# KiCad board STM32MP25XXAK with 2 DDR4.kicad_pcb (continued)
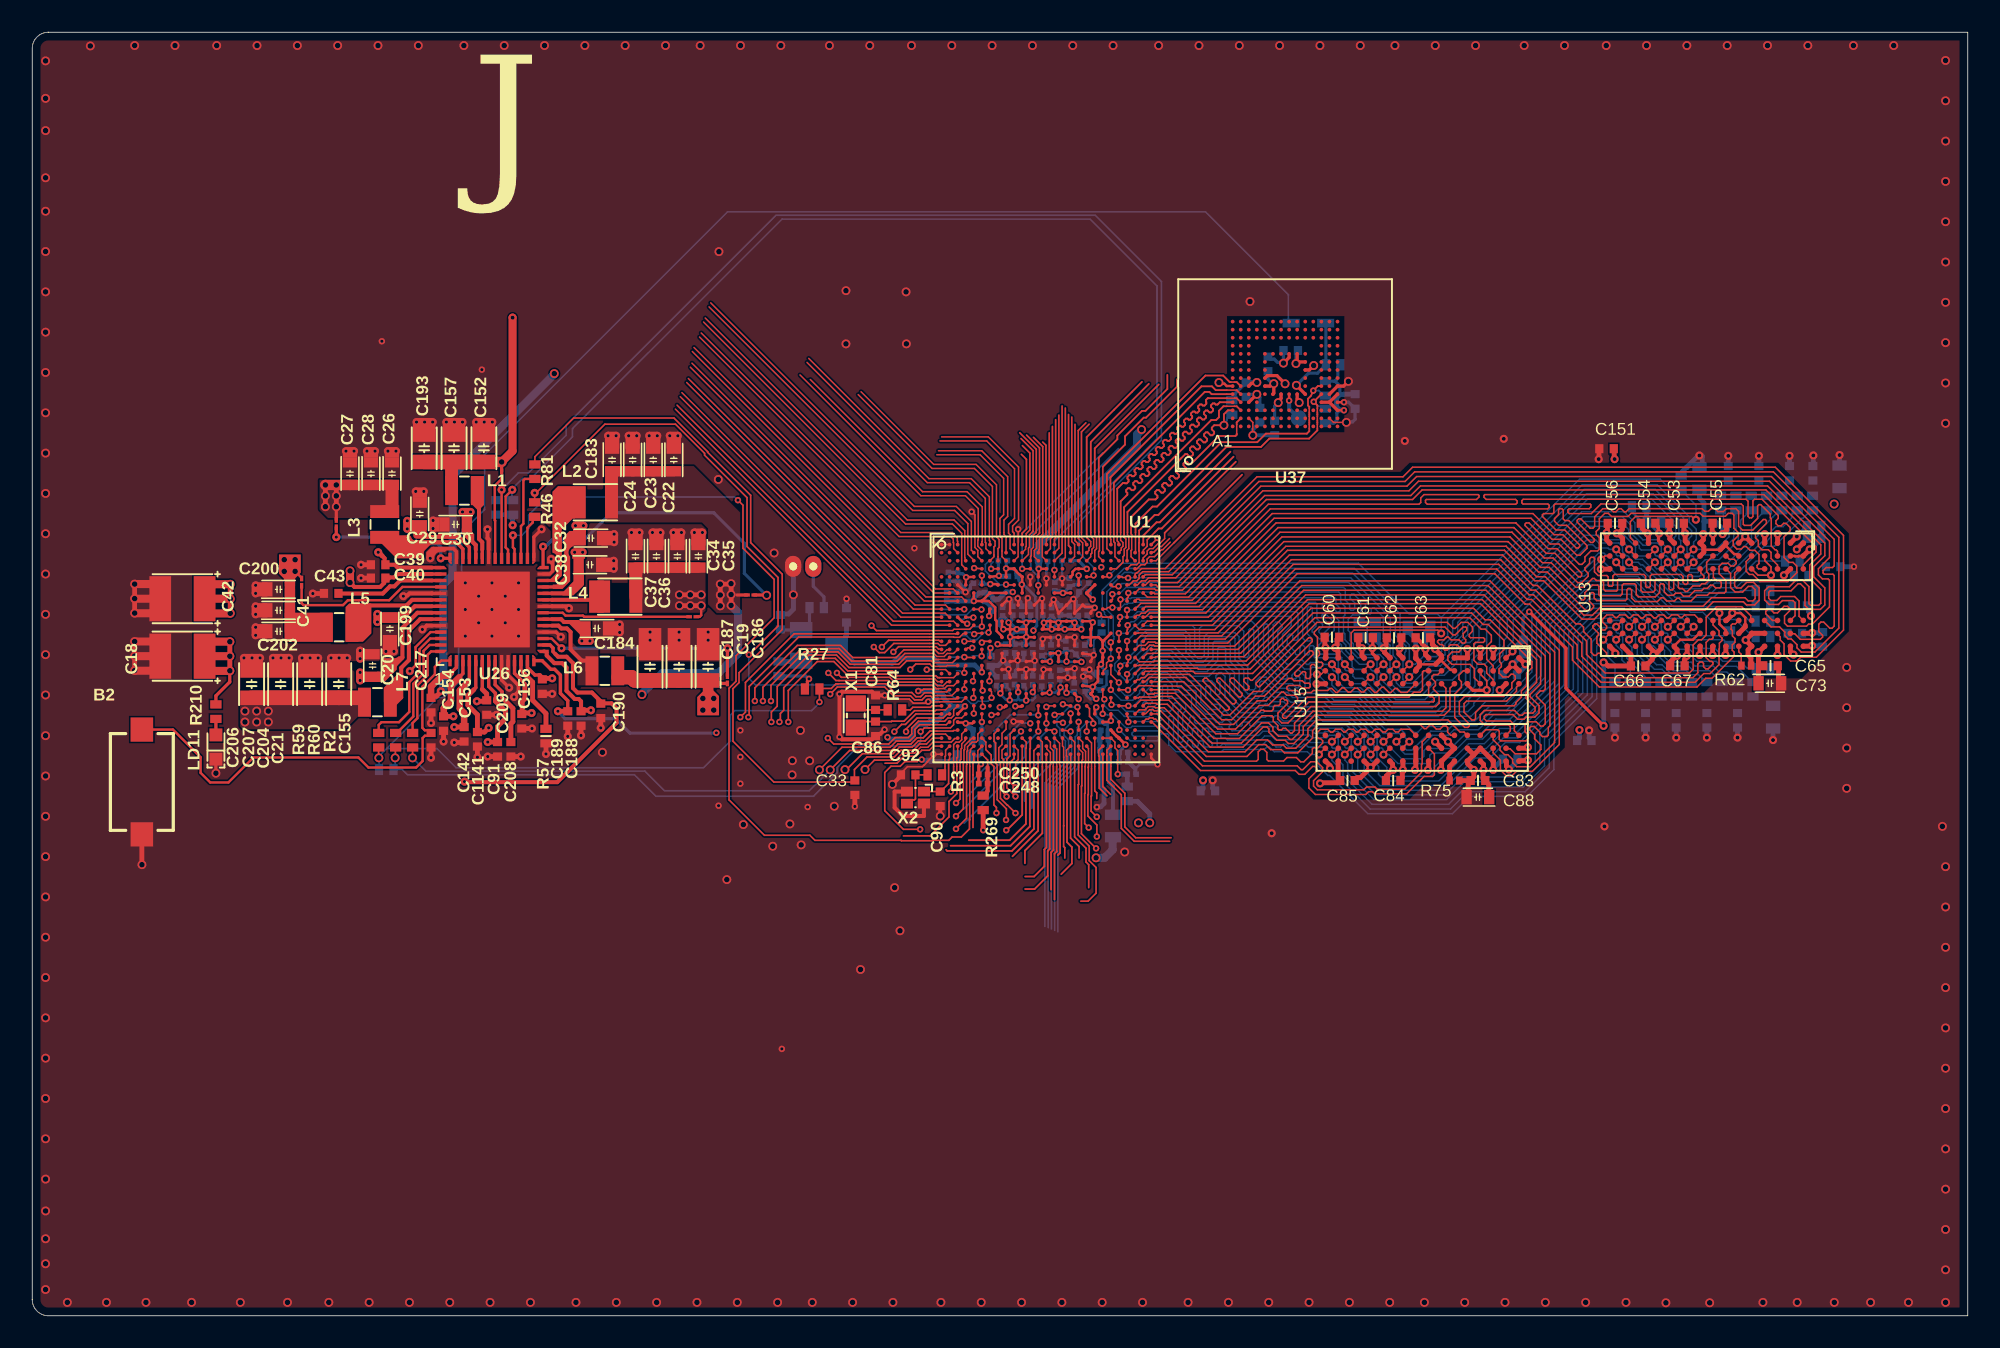
[diagram p0: board, top side]
## Routing (per net, layer and track width the routed paths; a pad name or vN(x,y) marks a point on that pad's centre or on a via; arc(x,y) is an arc through that point) (continued)
VBAT: length 12.2
  Top Layer w0.15: 58.88,39.93 U1.T6
  Bottom Layer w0.3: C87.2 50.49,42.19 50.42,42.12 50.42,41.92 50.07,41.57 D6.3 50.98,40.47 53.33,40.47 53.64,40.79 55.87,40.79 56.3,40.36 58.43,40.36 58.86,39.92 ; 58.86,39.92 v1(58.88,39.91) ; 58.86,39.92 58.83,39.89 ; 58.86,39.92 58.88,39.93
VDD3V3_USB: length 50.7
  Top Layer w0.21: 31.63,39.53 31.63,39.6 31.49,39.73 31.42,39.73 31.42,39.74 31.16,39.74 30.7,40.2 U26.13
  Top Layer w0.3: 31.63,39.53 v4(32.24,39.53)
  Signal Layer 2 2 w0.3: 43.52,27.56 67.6,27.56 69.28,29.24 v2(69.28,30.57)
  Signal Layer 2 2 w0.5: v4(32.24,39.53) 35.12,39.53 37.15,37.5 37.15,33.93 43.52,27.56
  Bottom Layer w0.3: R286.1 67.9,31.91 68.51,31.91 69.28,31.14 v2(69.28,30.57)
VDD_DDR: length 81.5
  Top Layer w0.09: 109.78,41.5 109.8,41.53 ; 85.75,35.17 85.75,35.2 ; 105.01,47.75 105.01,47.87
  Top Layer w0.15: 105.01,47.75 105.52,47.23 105.69,47.23 105.8,47.12 105.81,47.12 ; v3(105.4,43.58) 105.93,43.58 106.21,43.3 106.21,42.82 ; 103.42,42.39 102.96,41.93 102.18,41.93 101.81,41.55 101.81,41.52 ; LNK8.2 16.7,45.76 v2(16.3,46.17) ; 87.38,40.8 87.38,40.61 87.94,40.05 88.13,40.05 ; 86.01,40.4 87.02,40.4 ; U1.1C11 65.68,43.07 v1(65.75,43) ; U1.1F12 65.63,42.07 ; 65.63,42.07 U1.1D12 65.63,42.6 65.68,42.65 65.68,42.99 ; 65.63,42.07 U1.1E11 ; 65.9,38.29 65.63,38.56 U1.1M12 65.63,38.58 65.75,38.7 65.75,39 v1(65.75,39) U1.1L11 ; 103.64,47.5 104.65,47.5
  Top Layer w0.16: 66.25,40.4 66.07,40.22 66.07,39.35 65.75,39.03 v1(65.75,39) ; 65.7,42.07 66.13,42.07 U1.N21 ; U1.N21 U1.M22 ; U1.N21 66.36,41.81 v1(66.36,41.24) 66.38,41.23 U1.R21 66.36,40.81 66.36,40.56 66.26,40.46 v1(66.26,40.4)
  Top Layer w0.21: 24.78,46.4 25.33,46.4
  Top Layer w0.25: 24.78,46.4 22.65,46.4 22.48,46.57 22.01,46.57 ; 21.96,46.57 21.85,46.68 21.85,46.98 21.7,47.12 21.7,47.12
  Top Layer w0.3: 107.41,47.9 107.41,48.45 ; 101.98,40.95 101.98,41.31 101.81,41.48 ; 101.98,40.95 101.98,40.92 ; 101.98,40.95 101.98,40.95 101.96,40.95 101.55,40.54 C67.2 ; 84.18,34.4 84.18,34.37 84.34,34.21 84.34,33.89 84.38,33.85 84.33,33.85 83.95,33.47 ; 104.65,47.5 104.65,47.51 105.01,47.87 ; 85.73,33.85 85.78,33.9 85.78,35.2 ; 109.01,41.52 109.01,41.17 109.18,41 ; 87.38,40.8 87.36,40.82 87.36,40.94 86.98,41.33 86.98,41.4 86.88,41.5 86.88,41.56 86.81,41.63 86.81,41.91 86.67,42.05 ; 87.02,40.4 87.02,40.41 87.38,40.77 ; 105.03,43.12 105.03,43.12 105.08,43.17 105.36,43.45 105.36,43.54 v3(105.4,43.58) ; C56.2 98.58,49.15 98.58,48.77 98.33,48.52 v3(98.24,48.52) 98.28,48.48 98.34,48.48 98.61,48.22 U13.R1 ; 105.01,41.52 105.01,41 104.98,40.97 ; 108.61,45.92 109.01,46.32 ; 97.81,41.5 98.2,41.12 98.2,41.12 v3(98.15,41.07) ; 103.61,48.47 103.61,48.12 U13.J1 103.64,47.69 103.64,47.35 U13.J2 ; 92.73,34.45 92.7,34.45 92.68,34.47 92.62,34.42 92.2,34.42 ; 103.38,40.97 103.41,41 103.41,41.52 ; 84.18,40.8 84.18,40.82 84.16,40.82 83.84,41.15 83.84,41.4 83.93,41.49 83.93,41.97 ; 81.01,42.07 80.9,41.97 80.9,41.6 80.78,41.48 80.78,41.37 80.96,41.19 80.96,40.82 80.98,40.8 ; 105.06,49.15 105.06,48.72 104.81,48.47 ; 21.44,47.38 21.7,47.12 ; 90.58,40.8 90.58,41.35 ; 89.78,34.4 89.98,34.2 89.98,33.85 89.95,33.82 89.95,33.3 90.31,32.95 90.31,32.17 ; 101.79,47.92 101.53,48.18 101.53,48.48 101.49,48.52 101.5,48.53 C53.2 ; 91.56,33.87 91.56,33.93 91.4,34.08 91.4,34.35 ; 83.84,33.16 83.87,33.2 ; 105.81,42.32 106.21,42.72 106.21,42.82 ; 108.21,47.9 108.21,48.45 ; 109.41,47.52 109.81,47.93 ; 85.78,41.37 85.78,40.77 86.01,40.55 86.01,40.3 85.8,40.09 85.8,40.02 85.78,40 ; 90.98,38.8 91.38,39.2 ; 80.18,34.4 80.47,34.11 80.47,33.95 v3(80.46,33.94) ; v3(98.1,53.13) 98.08,53.15 98.08,53.75 C151.2 ; 110.36,41.55 110.33,41.52 109.81,41.52 ; 87.38,36 87.38,35.99 87.39,35.99 87.78,35.6 87.78,35.59 88.17,35.2 88.18,35.2 87.38,34.4 87.38,33.86 87.38,33.85 ; 107.41,41.5 107.38,41.5 107.02,41.14 107.02,39.22 107.01,39.2 ; 89.78,40.8 89.78,41.35 ; 92.18,40.8 92.58,40.4
  Top Layer w0.64: C200.2 C41.2 C202.2 ; 15.98,45.49 15.98,45.92
  Top Layer w0.8: 16.2,42.45 17.98,42.45
  Signal Layer 2 2 w0.3: 95.89,36.29 v3(95.93,36.33)
  Bottom Layer w0.09: 110.03,48.2 110.05,48.18
  Bottom Layer w0.15: 65.35,43.42 65.63,43.15 ; 66.46,38.97 66.61,39.12 66.61,39.86 C75.2 ; 65.35,41.6 65.45,41.7 65.45,41.86 65.63,42.04 ; 65.68,42.99 65.68,42.19 65.63,42.14 65.63,42.07
  Bottom Layer w0.16: v1(66.36,41.24) 66.36,40.67 66.27,40.58 66.27,40.42 66.25,40.4 66.25,40.33 66.34,40.24 66.34,40.19 66.47,40.06 66.47,39.99 66.54,39.93 66.56,39.93
  Bottom Layer w0.2: v1(65.97,38.26) 65.6,38.26 65.35,38.51 65.35,38.57 65.27,38.65 65.35,38.72 65.46,38.72 65.47,38.73 65.48,38.73 v1(65.75,39) 65.79,38.96 65.92,38.96 66.01,38.87 66.15,38.87 C77.1 66.4,38.97 66.46,38.97
  Bottom Layer w0.3: v3(104.8,48.48) 104.8,48.8 104.34,49.27 103.64,49.27 ; 103.64,49.27 103.64,50.42 103.36,50.7 C150.2 ; 103.64,49.27 103.64,48.52 v3(103.6,48.48) ; v3(91.55,33.88) 92.13,34.45 v3(92.73,34.45) ; 101.49,48.52 101.49,48.78 100.99,49.28 ; 92.05,39.75 92.58,40.28 v3(92.58,40.4) ; v3(95.93,36.33) 95.93,35.83 95.78,35.68 ; 111,41.5 110.95,41.55 v3(110.35,41.55) ; 110.03,48.2 109.4,47.58 v3(109.4,47.53) ; 85.6,42.15 85.78,41.98 v3(85.78,41.38) ; v3(83.78,41.4) 83.74,41.4 83.59,41.55 83.59,41.61 83.29,41.91 83.28,41.91 83.27,41.92 83.27,42.12 ; 85.18,42.58 85.57,42.19 ; v3(72.59,33.21) 72.59,32.71 C221.2
  vias: v2(15.62,46.89) v2(15.62,46.17) v2(16.3,46.89) v3(80.78,41.43) v3(84.38,33.85) v3(85.73,33.85) v3(86.98,41.35) v3(87.33,33.85) v3(87.78,35.6) v3(89.78,41.35) v3(89.98,33.85) v3(90.58,41.35) v3(90.98,38.8) v3(101.49,48.52) v3(101.98,40.93) v3(103.38,40.98) v3(104.98,40.98) v3(107.03,41.15) v3(107.41,48.47) v3(108.21,48.48) v3(108.6,45.93) v3(109.2,41) v4(21.45,47.35)
VDD_DDR_FB: length 10.2
  Top Layer w0.15: U26.46 22.95,45.2 22.13,44.37 20.24,44.37 20.24,44.37 19.57,44.37 19.27,44.07 16.82,44.07 16.7,44.19 LNK8.1
VDD_EMMC: length 132.1
  Top Layer w0.2: U37.F5 76.93,57.16 76.98,57.21 v2(76.98,57.8) 76.88,57.8 76.73,57.65 U37.E6 ; 78.43,59.13 78.42,59.14 78.42,59.22 78.43,59.22 U37.J10 ; 78.43,59.13 v2(78.35,59.05) ; 78.43,59.13 78.43,59.12 78.51,59.12 78.54,59.15 U37.K9
  Top Layer w0.21: 32.43,41.04 32.29,41.19 32.29,41.41 32.1,41.6 U26.16
  Top Layer w0.25: 35.27,37.98 35.91,37.98 36.23,37.67 36.23,36.77 32.55,33.09 26.75,33.09 ; 35.25,38.02 35.25,38.09 34.7,38.65 33.8,38.65 33.53,38.92 33.53,40.47 33.13,40.87 32.6,40.87 32.43,41.04
  Signal Layer 2 2 w0.5: 78.34,59.05 78.34,59.03 78.2,58.89 78.2,58.82 77.82,58.44 77.43,58.44 77.05,58.06 77.05,57.89 76.98,57.82 v2(76.98,57.8) ; 76.89,57.89 73.83,60.95 53.87,60.95 53.68,61.15 20.15,61.15 11.46,52.46 11.46,39.84 12.52,38.77 21.33,38.77 23.2,40.65 25.51,40.65 26.37,39.79 26.37,37.76 26.96,37.18 26.96,35.34 26.49,34.87 26.49,33.44 v4(26.8,33.12)
  Bottom Layer w0.2: v2(76.98,57.8) 76.88,57.8 76.62,58.07 C9.2 ; C117.2 78.35,59.74 v2(78.35,59.05)
VDD_SDCARD: length 5.1
  Top Layer w0.21: 26.93,39.2 27.1,39.37 U26.4
  Top Layer w0.3: v4(26.17,36.51) C142.1
  Top Layer w0.4: 26.93,39.2 26.51,38.78 26.51,37.66 26.78,37.39 C142.1
VDDA1V8_AON: length 37.9
  Top Layer w0.09: 57.83,37.77 v1(57.83,37.8) ; U1.W2 56.84,38.82 56.7,38.69 56.03,38.69
  Top Layer w0.1: 56.03,38.69 55.98,38.69 55.8,38.86 55.27,38.86 55.2,38.8 54.99,38.8 v1(54.93,38.74)
  Top Layer w0.15: U1.AB3 57.83,37.77
  Top Layer w0.21: C189.2 33.2,38.15 32.75,38.6 32.75,39.73 32.39,40.09 32.15,40.09 31.61,40.63 31.1,40.63
  Top Layer w0.3: v4(32.59,37.49) C189.2
  Signal Layer 2 2 w0.2: v1(53.03,35.87) 53.03,35.82 52.63,35.42 43.14,35.42 v1(42.42,36.15)
  Bottom Layer w0.2: v1(42.42,36.15) 42.39,36.13 37.06,36.13 36.16,37.03 33.03,37.03 32.57,37.49
  Bottom Layer w0.3: v1(54.93,38.74) 54.94,38.75 C234.2 56.2,38.61 56.34,38.61 56.48,38.47 56.48,38.33 57.01,37.8 ; v1(53.03,35.87) 53.05,35.87 53.15,35.77 53.83,35.77 53.84,35.77 54.45,35.77 54.63,35.94 54.63,36.41 54.89,36.68 55.46,36.68 55.66,36.88 56.09,36.88 57.01,37.8 ; 57.01,37.8 v1(57.83,37.8)
VDDCORE: length 78.4
  Top Layer w0.15: U1.F8 59.85,45.32 59.8,45.37 v1(59.4,45.37) ; 60.21,42.58 60.21,42.64 60.13,42.72 U1.1C1 ; 60.62,41.57 59.98,41.57 59.9,41.65 v1(59.85,41.65) ; 60.63,41.65 v1(60.63,42.1) ; v1(60.63,42.1) U1.1D2 ; v1(60.63,42.1) 60.65,42.07 U1.1E3 v1(61.63,42.1) ; 60.55,42.99 60.55,42.92 60.63,42.84 U1.1D2 ; v1(61.63,42.1) U1.1E5 ; v1(61.63,42.1) U1.1D4 ; v1(61.63,42.1) U1.1F4 ; U1.E5 v1(57.9,45.8) U1.F4 ; U1.1C5 61.77,43.07 61.68,42.98 v1(61.63,42.98) ; U1.1D2 61.02,42.57 61.62,42.57 U1.1D4 ; U1.1D2 v1(60.21,42.58) ; U1.1D4 v1(61.62,42.98) ; v1(61.63,42.98) U1.1C3
  Top Layer w0.2: C22.2 39.82,52.42 ; 43.7,44.7 LNK2.2
  Top Layer w0.3: 43.33,44.02 43.33,45.37 v2(42.66,45.37) v2(42.66,44.7) v2(42.66,44.02)
  Top Layer w0.64: C183.2 C24.2 C23.2 C22.2
  Top Layer w0.8: 35.92,50.2 L2.2 35.92,52.17
  Signal Layer 2 2 w0.5: v2(65.96,28.4) 65.95,28.39 65.91,28.39 65.91,28.39 43.58,28.39 37.8,34.17 37.8,38.52 v2(37.8,38.52)
  Bottom Layer w0.2: 61.46,42.57 61.62,42.4 ; 61.46,42.57 61.62,42.96 ; 61.46,42.57 61.23,42.57 ; 61.62,42.4 61.06,42.4 ; 61.62,42.4 61.62,42.1 v1(61.63,42.1) 61.63,42.05 61.55,41.97 61.55,41.71 61.5,41.66 ; 60.84,41.66 60.91,41.66 ; 60.91,41.66 C46.2 ; 60.91,41.66 61.5,41.66 ; 60.91,41.66 60.84,41.73 60.84,41.94 60.72,42.06 60.66,42.06 v1(60.63,42.1) 60.63,42.11 60.92,42.4 61.06,42.4 ; C47.1 61.5,41.66 ; 61.5,41.66 C48.2 ; 61.06,42.4 61.23,42.57 ; 61.23,42.57 61.62,42.96 ; 60.58,42.99 60.73,43.14 60.73,43.37 60.79,43.44 60.81,43.44 ; 60.58,42.99 60.55,42.99 60.51,43.03 60.51,43.09 60.33,43.27 60.29,43.27 60.24,43.32 60.2,43.32 60.17,43.34 60.1,43.27 60.06,43.27 59.94,43.15 59.94,42.84 60.21,42.58 ; 60.58,42.99 60.6,42.99 60.7,42.89 60.72,42.89 61.02,42.59 61.02,42.57 61.13,42.57 ; 61.38,43.44 61.45,43.36 61.45,43.2 61.63,43.03 v1(61.63,42.98) 61.62,42.96 ; C192.2 C201.2 57.45,46.02 57.68,46.02 v1(57.9,45.8) ; 61.62,42.96 61.87,43.21 61.87,43.36 61.94,43.44 ; 58.76,45.35 58.78,45.37 v1(59.4,45.37) ; C44.1 60.35,41.65 v1(59.85,41.65)
  Bottom Layer w0.5: R11.1 66.98,29.66 66.98,28.9 66.49,28.4 v2(65.96,28.4) ; v2(37.8,38.52) 37.81,38.53 37.81,38.59 39.08,39.87 42.56,39.87 43.76,41.07 43.76,43.62 v2(43.33,44.05)
  vias: v1(60.53,42.99) v1(61.04,42.57) v2(43.33,45.4) v2(43.33,44.73)
VDDCORE_FB: length 20.6
  Top Layer w0.2: LNK2.1 45.38,44.7 ; 31.67,46.4 v4(31.67,47.7)
  Bottom Layer w0.2: 31.65,47.7 31.71,47.76 31.88,47.76 32.23,48.11 ; 45.51,44.68 44.15,46.04 44.15,47.9 42.25,49.8 35.9,49.8 34.21,48.11 32.23,48.11 31.88,47.76 31.7,47.76 31.65,47.7
  vias: v2(45.53,44.68)
VDDCPU: length 28
  Top Layer w0.15: 63.2,42.57 U1.1D6 62.63,42.6 62.7,42.67 62.7,42.96 v1(62.72,42.98) 62.79,42.98 62.88,43.07 U1.1C7 ; U1.1D10 v1(64.63,42.98) 64.56,42.98 64.47,43.07 U1.1C9 63.78,43.07 63.69,42.98 v1(63.63,42.98) ; U1.1D10 64.63,42.57 65.02,42.57 ; U1.1D10 64.62,42.57 v1(64.02,42.57) U1.1D8 ; U1.1D8 v1(63.21,42.57) 63.21,42.64 63.13,42.73 U1.1C7 ; U1.1D8 v1(63.63,42.98) ; U1.F18 v1(64.88,45.91) ; U1.G15 v1(63.9,44.82) U1.G17 ; U1.1C7 v1(63.63,42.98) ; 62.73,42.91 62.73,42.97
  Top Layer w0.2: LNK4.1 v2(18.85,50.17)
  Top Layer w0.3: v2(18.18,50.17) v2(18.18,50.85) v2(18.18,51.52) v2(18.85,51.52) v2(18.85,50.85) v2(18.85,50.17)
  Top Layer w0.64: v2(18.18,51.52) 18.18,51.52 C27.2 C28.2 C26.2
  Top Layer w0.8: L3.2 22.3,49.87 22.3,51.17
  Bottom Layer w0.15: v1(64.88,45.91) 64.9,45.89 64.9,45.44
  Bottom Layer w0.2: 64.91,43.35 64.91,43.24 65.08,43.07 65.08,42.61 v1(65.04,42.57) 65.04,42.57 v1(64.63,42.98) ; C11.2 63.77,44.95 v1(63.9,44.82) 63.93,44.82 64.23,45.12 64.23,45.13 64.3,45.2 64.31,45.2 ; 64.92,45.42 64.89,45.43 64.78,45.32 64.58,45.32 C69.2 ; 63.63,42.97 63.63,42.96 63.24,42.57 63.17,42.57 62.76,42.98 v1(62.72,42.98) 62.76,43.02 62.84,43.02 C6.1 63.28,43.3 63.31,43.3 v1(63.63,42.98) ; 63.63,42.97 64.02,42.58 ; 63.63,42.97 v1(63.63,42.98) ; v1(64.02,42.57) 64.06,42.61 64.25,42.61 v1(64.63,42.98) ; 64.9,43.35 64.77,43.35 64.66,43.23 64.66,43.02 v1(64.63,42.98) ; v1(63.63,42.98) 63.63,43.04 63.68,43.09 63.68,43.4 C8.1 63.78,43.44 64.28,43.44 C68.2 64.59,43.14 ; 62.69,43.01 62.69,43.42 C7.2
VDDCPU_FB: length 8.6
  Top Layer w0.2: v4(18.85,48.29) LNK4.2 ; v4(25.33,46.97) 25.9,46.97
  Bottom Layer w0.2: v4(18.85,48.29) 21.98,48.29 22.39,47.87 25.12,47.87 25.33,47.67 v4(25.33,46.97)
VDDGPU: length 24.7
  Top Layer w0.1: U1.1H6 62.63,40.61
  Top Layer w0.125: v1(64.13,40.57) U1.1G9
  Top Layer w0.15: LNK7.2 41.18,43.36 41.39,43.36 41.47,43.45 v2(41.47,44.04) ; U1.1H8 v1(63.63,41.1) U1.1G7 ; U1.1L7 v1(63.07,38.65) U1.1M6 ; v1(64.13,38.63) U1.1L9 ; U1.1M10 v1(64.88,38.24) ; U1.1M8 v1(63.75,38.97) ; U1.1H6 v1(63.1,40.57)
  Top Layer w0.16: U1.1H10 v1(65.05,40.55)
  Top Layer w0.2: 41.55,46.39 41.6,46.34
  Top Layer w0.3: v2(40.12,44.04) v2(40.8,44.04) v2(41.47,44.04) ; v2(41.47,44.71) v2(40.8,44.71) v2(40.12,44.71)
  Top Layer w0.64: C37.2 C36.2 C34.2 C35.2
  Top Layer w0.8: L4.2 37.43,46.07
  Bottom Layer w0.15: v1(63.63,41.1) 63.63,40.72 63.77,40.57 v1(64.13,40.57) ; v1(63.63,41.1) 63.66,41.13 63.91,41.13 C1.2 64.08,40.96 64.13,40.92 v1(64.13,40.57) ; v1(63.63,41.1) 63.6,41.08 63.18,41.08 C52.2 ; v1(63.75,38.97) 63.43,38.65 v1(63.07,38.65) ; v1(63.75,38.97) 63.75,39.45 C59.2 ; v1(63.75,38.97) 63.78,38.97 v1(64.13,38.63) 64.19,38.7 C58.2 64.71,38.6 64.71,38.46 64.88,38.29 v1(64.88,38.24) ; C52.2 63.16,40.64 v1(63.1,40.57) 63.05,40.62 62.9,40.62 C3.2 62.7,41.02 62.76,41.02 62.79,41.06 C52.2 ; v1(63.07,38.65) 63.09,38.67 63.09,39.06 C5.2 ; v1(63.07,38.65) 62.68,38.65 62.59,38.74 C4.2 ; v1(64.13,40.57) 64.15,40.55 v1(65.05,40.55) 65,40.6 65,40.69 64.81,40.88 64.81,40.93 C2.2 64.61,41.13 64.61,41.13 64.51,41.23 64.46,41.23 64.44,41.24 64.16,41.24 64.09,41.31
VDDGPU_FB: length 9.3
  Top Layer w0.15: LNK7.1 34.21,43.35 34.14,43.42 33.06,43.42 32.88,43.6 31.55,43.6
VDDIO: length 59.1
  Top Layer w0.15: U1.1M4 61.63,38.21 61.66,38.17 ; U1.G11 61.38,45.42 61.36,45.44 61.38,45.45 U1.E11 61.37,45.82 61.25,45.95 61.22,45.95 61,46.17 61,46.2 60.88,46.32 U1.D10 ; 62.05,38.67 62.05,38.74 62.13,38.82 U1.1L5 ; 60.45,46.34 60.86,46.34 ; U1.1L1 60.13,38.72 60.03,38.62 v1(60.03,38.6) ; 60.4,45.82 U1.E9 v1(60.37,46.34) ; v1(60.6,38.17) U1.1M2 ; v1(61.13,38.67) U1.1L3
  Top Layer w0.2: R27.2 48.06,39.03 48.06,39.35 48.16,39.45 v1(48.16,39.5) ; C186.2 42.09,39.21 LNK11.2 ; U26.29 31.1,48.3 v4(31.57,48.77)
  Top Layer w0.64: 41.9,38.52 41.9,38.95
  Top Layer w0.9: 36.35,39.6 37.15,39.6 37.35,39.4 C187.2 C19.2 C186.2
  Signal Layer 2 2 w0.15: 60.63,41.11 60.62,41.1 60.62,40.58 60.83,40.37 60.83,40.33 61.13,40.03 v1(61.13,38.67)
  Signal Layer 2 2 w0.3: v4(29.78,49.03) 31.3,49.03 31.55,48.78 31.57,48.78 ; v2(42.25,38.28) 42.25,40.37 42.45,40.57 42.45,42.76 42.05,43.16 42.05,45.05 41.5,45.6 35.96,45.6 34.96,46.6 34.96,48.99 34.43,49.51 33.47,49.51 33.04,49.08 31.94,49.08 31.63,48.77 v4(31.57,48.77)
  Signal Layer 2 2 w0.4: v1(62.07,42.5) 62.07,42.36 62.13,42.31 62.13,41.84 61.43,41.14 60.89,41.14 60.86,41.11 60.63,41.11
  Bottom Layer w0.15: 61.13,38.28 61.13,38.26 61.04,38.17 v1(60.6,38.17) ; 61.13,38.28 61.23,38.17 61.61,38.17 ; 61.13,38.28 v1(61.13,38.67) 61.13,38.74 61.01,38.86 61.01,39.05 C72.2 ; v1(60.6,38.17) 60.55,38.22 60.35,38.22 60.03,38.55 60.03,38.64 59.88,38.79 59.88,38.97 59.78,39.07 ; v1(60.6,38.17) 60.6,38.82 60.34,39.08 ; C12.1 61.61,38.93 61.61,38.17 ; 61.61,38.17 v1(61.63,38.16) ; 61.61,38.17 62.03,38.17 62.18,38.32 62.18,38.48 62.05,38.61 62.05,38.67 62.04,38.68 62.04,39.12 C74.2
  Bottom Layer w0.175: 60.39,46.36 60.41,46.38 60.49,46.38 ; 60.39,46.36 60.39,46.77 C17.2 ; 60.39,46.36 v1(60.37,46.34) 60.41,46.31 60.85,46.31 60.97,46.19 60.97,46.04 61,46.01 61,45.92 61.16,45.76 61.16,45.67 61.18,45.66 61.18,45.57 61.35,45.39 61.35,45.37 ; v1(62.07,42.5) 62.07,42.56 62.18,42.67 62.18,42.68 62.28,42.78 62.28,44.24 62.19,44.34 62.19,44.61 61.36,45.44
  Bottom Layer w0.2: v1(48.16,39.5) 48.12,39.5 47.94,39.67 R67.2
  Bottom Layer w0.3: 28.81,49.68 29.79,49.68 29.77,49.67 29.77,49.04 29.76,49.03
  vias: v1(61.35,45.35) v1(62.03,38.67) v2(41.58,38.28) v2(41.58,37.56) v2(42.25,37.56)
VDDIO_FB: length 13.4
  Top Layer w0.15: U26.17 32.2,42 32.8,41.4 v4(32.82,41.4)
  Top Layer w0.2: LNK11.1 v4(43.1,41.4)
  Bottom Layer w0.15: 43.1,41.4 v4(43.1,41.4)
  Bottom Layer w0.2: v4(32.82,41.4) 43.1,41.4
VDDIO_SDCARD: length 76.7
  Top Layer w0.15: U1.E13 v1(62.4,46.32) U1.D14
  Top Layer w0.21: 25.96,39.87 26.3,40.21 U26.2
  Top Layer w0.3: 24.73,38.38 24.77,38.42 25.06,38.42 25.34,38.7 v4(25.34,38.74)
  Top Layer w0.4: 25.96,39.87 25.78,39.69 25.4,39.69 24.73,39.02 C217.1
  Signal Layer 2 2 w0.5: 51.44,58.43 51.45,58.43 ; 51.44,58.43 32.37,58.43 v2(32.37,58.43) ; 51.44,58.43 65.3,58.43 v2(68.78,54.96)
  Bottom Layer w0.4: v1(62.4,46.32) C195.2
  Bottom Layer w0.5: v2(68.78,54.96) 68.78,54.94 68.49,54.66 68.49,53.92 62.4,47.82 C195.2 ; 25.32,38.74 25.49,38.91 25.49,45.36 26.06,45.94 26.06,52.1 32.34,58.37 32.34,58.42 32.35,58.43
(no net):
  vias: v1(43.9,37.12) v1(44.4,37.12) v1(44.8,38.12) v1(45.3,38.12) v1(45.8,38.12) v1(45.83,36.82) v1(46.33,36.82) v1(46.88,36.82) v1(49.33,35.82) v1(49.36,39.87) v1(49.47,38.55) v1(49.89,39.87) v1(52.03,42.8) v1(52.18,41.47) v1(52.68,41.47) v1(53.39,41.17) v1(53.45,36.22) v1(54.18,36.22) v1(54.44,40.08) v1(55.46,40.07) v1(56.96,32.51) v1(57.28,31.8) v1(57.27,30.98) v1(57.27,30.19) v1(57.78,43.81) v1(57.79,41.82) v1(57.79,40.85) v1(57.79,39.87) v1(57.79,38.85) v1(58.35,43.3) v1(58.28,41.42) v1(58.33,39.35) v1(58.4,46.37) v1(58.4,42.27) v1(58.35,38.31) v1(58.38,37.35) v1(58.88,45.9) v1(58.85,43.8) v1(58.88,42.74) v1(58.88,41.75) v1(58.86,40.91) v1(58.94,37.77) v1(59.29,42.37) v1(59.35,39.35) v1(59.45,46.32) v1(59.47,37.26) v1(59.78,31.17) v1(59.99,37.73) v1(60.38,45.35) v1(60.41,32.2) v1(60.38,30.75) v1(60.39,30.11) v1(60.95,37.8) v1(60.97,33.6) v1(60.96,32.76) v1(60.96,32.21) v1(60.96,31.17) v1(61.3,36.24) v1(61.38,46.32) v1(61.88,36.74) v1(62.38,45.3) v1(62.38,37.24) v1(62.38,36.24) v1(62.88,37.76) v1(62.88,36.74) v1(63.39,37.26) v1(63.38,36.24) v1(63.9,37.92) v1(63.9,36.77) v1(64.38,37.35) v1(64.38,36.24) v1(64.8,37.75) v1(64.88,36.83) v1(65.38,36.24) v1(65.5,30.27) v1(65.78,36.73) v1(66,30.94) v1(66,29.72) v1(65.96,28.99) v1(66.28,46.42) v2(48.81,33.85) v2(50.39,33.87) v2(51.63,33.88) v2(68.58,30.57)
DDR_A0: length 58.8
  Top Layer w0.09: 81.38,39.6 81.42,39.6 81.77,39.25 U15.P3 ; 67.45,43.33 67.45,43.07 67.38,43 U1.L23 ; v3(99,46.73) 99,46.72 U13.P3
  Bottom Layer w0.09: 67.45,43.34 68.2,43.34 68.53,43.67 78.38,43.67 78.48,43.57 78.48,41.97 78.41,41.9 78.22,41.9 78.15,41.97 78.15,42.18 78.06,42.27 77.94,42.27 77.81,42.13 77.81,41.67 78.31,41.17 78.31,41.07 78.38,40.99 78.52,40.99 78.6,41.07 78.6,41.49 78.67,41.56 78.81,41.56 78.89,41.49 78.89,41.06 78.96,40.99 79.11,40.99 79.18,41.06 79.18,41.49 79.25,41.56 79.4,41.56 79.48,41.49 79.48,40.87 79.54,40.8 80.75,40.8 80.98,40.58 80.98,40.11 81.38,39.71 v3(81.38,39.6) 81.78,39.2 82.46,39.2 84.25,37.41 87.01,37.41 87.38,37.78 88.85,37.78 89.05,37.98 89.05,38.24 89.74,38.93 89.74,39.95 89.82,40.02 89.97,40.02 90.05,39.94 90.05,39.46 90.13,39.38 90.23,39.38 90.35,39.51 90.35,40.16 91.18,40.98 91.18,41.5 91.24,41.56 91.24,41.89 91.45,42.1 91.45,43.2 96.37,48.11 96.93,48.11 97.12,47.92 98.37,47.92 98.6,47.69 98.6,47.38 98.84,47.13 98.91,47.13 99,47.04 v3(99,46.73) 98.99,46.74 ; 99.03,46.73 99.57,46.73 99.72,46.57 99.84,46.57 101.85,44.56 104.26,44.56 104.56,44.86 105.8,44.86 105.92,44.98 106.85,44.98
  vias: v1(67.44,43.33)
DDR_A1: length 54.8
  Top Layer w0.09: v3(99,42.73) 99.39,43.12 U13.P7 ; U1.Y22 66.88,37.93 v1(66.91,37.89) ; 81.38,35.6 81.78,36
  Bottom Layer w0.09: 81.38,35.6 81.38,35.28 81.46,35.2 81.54,35.2 81.77,34.97 81.77,34.47 81.84,34.4 81.84,33.76 83.3,32.3 87.57,32.3 88.69,33.41 92.25,33.41 93.18,34.35 93.18,36.1 95.84,38.75 95.84,42.15 96.95,43.26 97.76,43.26 97.81,43.31 98.57,43.31 99,42.88 v3(99,42.73) ; R190.1 101.72,39.51 101.62,39.51 101.04,40.09 100.58,40.09 100.36,40.3 100.22,40.3 99.51,41.01 99.51,41.54 99.4,41.66 99.4,42.28 99.07,42.61 99.07,42.69 ; 66.94,37.87 v1(66.91,37.89) 67.4,37.89 67.81,37.48 68.27,37.48 68.32,37.43 68.96,37.43 69.06,37.53 69.06,37.65 68.85,37.85 68.85,37.98 68.96,38.09 69.07,38.09 69.2,37.95 69.33,37.95 69.43,38.05 69.43,38.16 69.44,38.16 69.23,38.36 69.23,38.51 69.34,38.62 69.45,38.62 69.6,38.46 69.72,38.46 69.78,38.52 69.78,39.19 70.14,39.55 70.28,39.55 70.68,39.15 70.68,38.92 70.93,38.68 71.15,38.68 71.33,38.5 71.79,38.5 71.87,38.42 71.87,37.75 72.36,37.25 72.36,37.09 72.44,37.02 73.19,37.02 73.41,36.8 73.77,36.8 73.97,37 74.07,37 74.31,36.76 74.31,36.65 74.21,36.56 74.21,36.46 74.38,36.28 75.87,36.28 76.12,36.54 77.08,36.54 77.31,36.31 79.3,36.31 79.47,36.14 80.05,36.14 80.15,36.24 80.94,36.24 81.06,36.12 81.13,36.12 81.33,35.92 81.33,35.65 v3(81.38,35.6)
DDR_A2: length 61.7
  Top Layer w0.09: U15.R3 80.97,39.25 80.62,39.6 80.58,39.6 ; v1(67.37,42.33) 67.38,42.32 U1.N23 ; U13.R3 98.61,46.33 v3(98.2,46.73)
  Bottom Layer w0.09: 80.57,39.6 80.17,40.01 80.05,40.01 79.83,40.22 79.37,40.22 79.25,40.1 78.88,40.1 78.59,40.39 78.36,40.39 78.06,40.09 77.66,40.09 76.64,41.11 76.64,42.79 76.54,42.9 76.43,42.9 76.34,42.8 76.34,41.03 77.57,39.8 77.72,39.8 77.81,39.71 77.81,39.58 77.72,39.49 77.43,39.49 76.02,40.9 76.02,42.66 75.59,43.09 68.77,43.09 68.44,42.76 68.34,42.76 67.91,42.33 67.37,42.33 v1(67.37,42.33) ; v3(80.58,39.6) 80.58,39.12 81,38.7 82.24,38.7 84.03,36.91 87.31,36.91 87.56,37.16 87.58,37.18 89.2,37.18 90.14,38.12 91.16,38.12 92.98,39.94 92.98,43.34 95.79,46.15 96.11,46.15 96.88,46.92 96.88,47.07 97.11,47.3 97.44,47.3 97.58,47.16 97.77,47.16 v3(98.2,46.73) 98.2,46.69 98.8,46.09 99.63,46.09 101.74,43.98 105.57,43.98 106.48,43.08 R180.1
DDR_A3: length 57.5
  Top Layer w0.09: 82.18,35.6 82.2,35.6 82.57,35.97 U15.N7 ; v1(66.87,38.82) 66.87,39.32 ; U13.N7 100.19,43.12 v3(99.8,42.73)
  Bottom Layer w0.09: v1(66.87,38.82) 67.52,38.17 68.22,38.17 68.65,38.6 68.65,38.75 69.13,39.22 69.13,39.38 70.01,40.27 70.38,40.27 71.57,39.08 72.38,39.08 72.45,39 72.45,38.06 72.91,37.6 73.57,37.6 73.66,37.69 73.66,37.81 73.64,37.82 73.55,37.91 73.16,37.91 72.75,38.32 72.75,39 72.83,39.08 72.97,39.08 73.06,38.99 73.06,38.48 73.3,38.23 73.67,38.23 73.67,38.22 74.77,37.12 76.45,37.12 76.54,37.21 76.72,37.21 76.82,37.12 76.97,37.12 77.06,37.21 77.23,37.21 77.55,36.89 79.59,36.89 79.83,36.64 81.47,36.64 82.18,35.94 v3(82.18,35.6) 82.18,35.55 82.38,35.35 82.38,35.2 82.58,34.99 82.58,33.84 83.54,32.88 87.33,32.88 89.33,34.88 90.25,34.88 91.21,35.84 92.1,35.84 95.26,38.99 95.26,42.39 96.73,43.87 98.72,43.87 99.8,42.79 v3(99.8,42.73) 99.8,42.67 100.2,42.28 100.2,41.78 100.44,41.53 100.52,41.53 100.91,41.14 100.91,40.83 101.74,40 102.56,40 102.81,39.76 103.31,39.76 103.52,39.54 103.52,39.51 103.73,39.3 R188.1
DDR_A4: length 60.4
  Top Layer w0.09: U15.N3 82.57,39.25 82.93,39.6 ; 66.38,43.82 66.58,43.82 66.68,43.92 v1(66.97,43.92) ; v3(100.6,46.73) 100.6,46.72 U13.N3
  Bottom Layer w0.09: v3(82.98,39.6) 82.98,39.57 83.19,39.35 83.19,39.19 84.42,37.96 86.58,37.96 87.03,38.4 88.39,38.4 89.16,39.17 89.16,40.21 89.27,40.33 89.27,40.67 89.56,40.96 89.94,40.96 90.17,41.19 90.17,42.74 96.4,48.96 98.36,48.96 98.64,48.69 98.64,48.46 99.41,47.69 99.41,47.22 99.5,47.12 100.21,47.12 v3(100.6,46.73) 100.6,46.43 100.71,46.33 100.91,46.33 102.15,45.08 103.97,45.08 104.32,45.44 105.51,45.44 106.87,46.8 R175.1 ; v1(66.97,43.92) 67.51,43.92 67.72,44.13 67.89,44.13 67.95,44.19 68.22,44.19 68.28,44.25 79.54,44.25 79.65,44.14 79.65,43.23 80,42.88 80,42.74 79.77,42.52 79.77,42.4 79.9,42.27 80.02,42.27 80.43,42.68 80.43,42.87 79.96,43.33 79.96,43.45 80.05,43.54 80.18,43.54 80.72,43 80.72,42.5 80.28,42.06 80.28,41.94 80.39,41.83 80.94,41.83 81.17,41.59 81.17,41.22 81.18,41.22 81.18,41.21 81.83,40.55 81.83,40.25 82,40.08 82.5,40.08 82.98,39.61
DDR_A5: length 55.4
  Top Layer w0.09: U1.W21 66.37,38.82 66.37,38.42 66.47,38.32 66.47,38.24 ; 99.01,41.93 99.4,42.32 ; 81.75,35.2 81.38,34.83 81.38,34.8
  Bottom Layer w0.09: R191.1 100.88,39.3 100.67,39.51 100.67,39.52 100.18,40.01 100.1,40.01 99.18,40.93 99.18,41.45 99,41.63 99,41.98 98.6,42.38 98.6,42.89 98.37,43.12 98.04,43.12 97.88,42.97 97.06,42.97 96.13,42.03 96.13,38.63 93.47,35.98 93.47,34.23 92.37,33.12 88.81,33.12 87.69,32.01 83.18,32.01 81.55,33.64 81.55,34.28 81.38,34.46 81.38,34.77 ; 66.47,38.15 66.47,38.24 ; 81.42,34.77 v3(81.38,34.8) 81.38,34.87 80.97,35.28 80.97,35.77 80.74,36 80.41,36 80.26,35.85 79.35,35.85 79.18,36.02 77.19,36.02 76.96,36.25 76.29,36.25 76.04,35.99 74.26,35.99 73.74,36.51 73.29,36.51 73.07,36.73 72.15,36.73 72.06,36.82 72.06,37.09 71.98,37.17 71.84,37.17 71.77,37.1 71.77,36.8 71.64,36.68 71.64,36.39 71.53,36.29 71.41,36.29 71.33,36.37 71.33,37.33 71.52,37.52 71.52,37.9 71.12,38.3 70.49,38.3 70.39,38.4 70.39,39.03 70.31,39.11 70.17,39.11 70.07,39.01 70.07,38.28 69.37,37.58 69.37,37.3 69.21,37.14 68.13,37.14 68.1,37.17 67.71,37.17 67.33,37.55 66.77,37.55 66.47,37.85 v1(66.47,38.23)
  vias: v3(99,41.93)
DDR_A6: length 60.6
  Top Layer w0.09: v3(99,47.53) 99,47.52 U13.P2 ; U1.K24 v1(67.88,43.77) ; 81.38,40.4 81.75,40.02 81.77,40.02